# Altium PCB VC_NRF5340.PcbDoc (part 2 of 2) (continued)
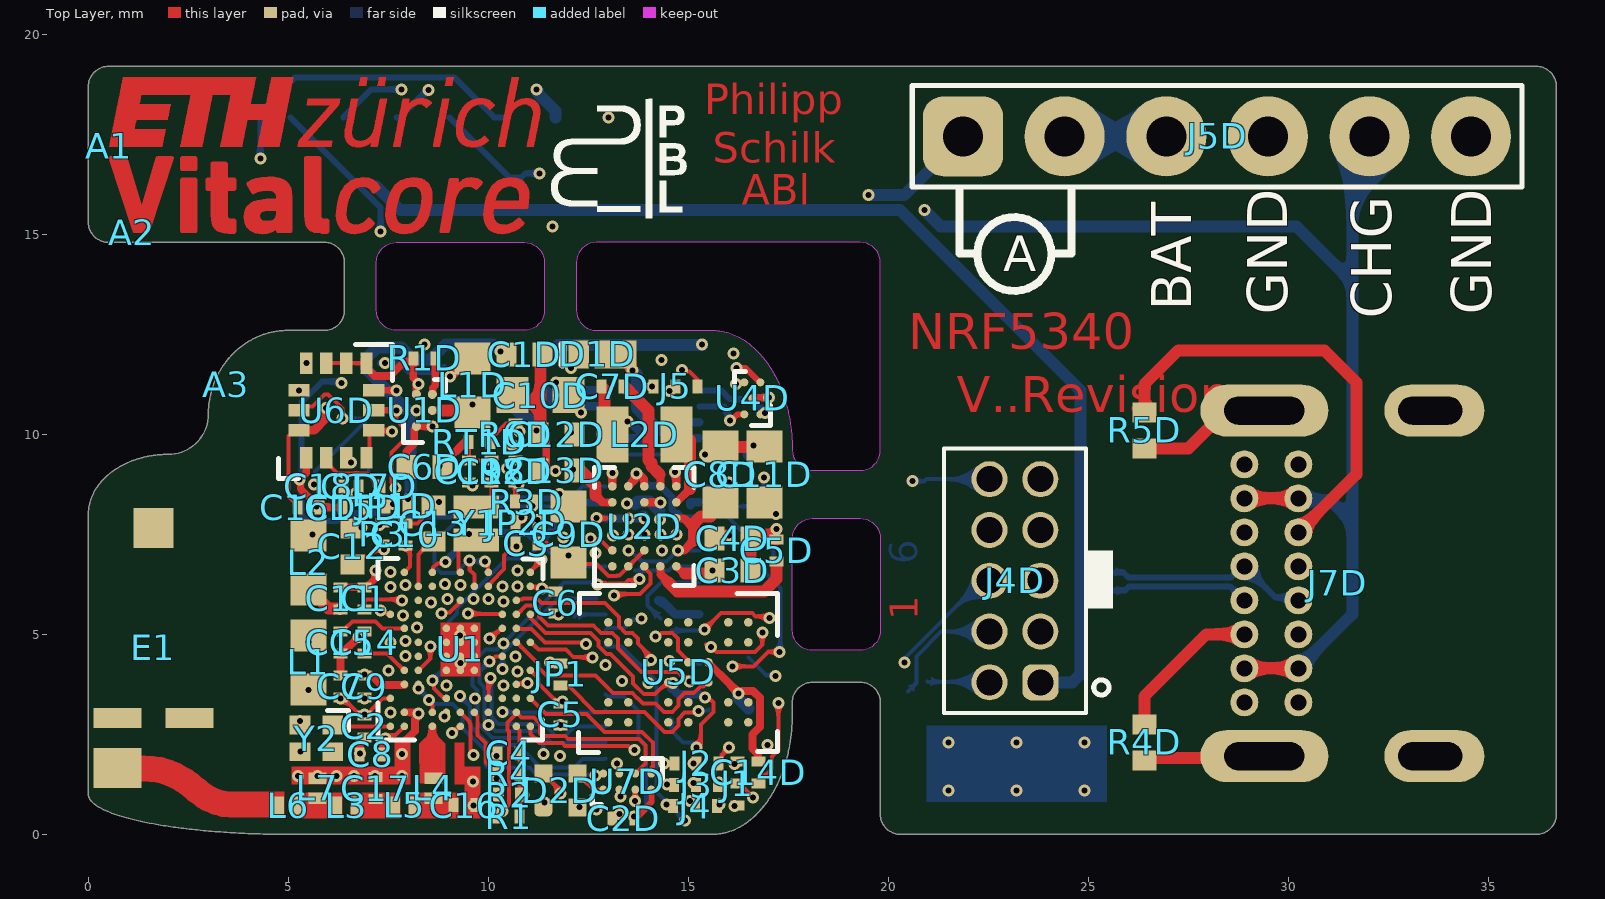
[diagram p0: Top Layer view]
## Nets (pads, with @x,y where several pads share a name; then routed paths per layer and width w, separated by ;. In a path a pad name is that pad's centre, name@x,y a point inside that pad or via, vN(x,y) a via of type N, cw(c..) or ccw(c..) an arc to the next point about the centre after c; other vN are vias at no path point) (continued)
NetD2D_2: D2D.2 U7D.B2 | length 3.4
  Top Layer w0.1: D2D.2@11.375,1.525 11.764,1.136 11.764,1.058 v1(11.802,1.02) ; v1(13.667,0.835) 13.67,0.838 13.67,1.117 U7D.B2@13.673,1.12
  Int4 (Sign) w0.1: v1(11.802,1.02) 11.827,1.02 12.5,0.347 12.815,0.347 12.997,0.529 12.997,0.616 13.179,0.799 13.63,0.799 v1(13.667,0.835)
NetD2D_3: D2D.3 U7D.D2 | length 0.8
  Top Layer w0.1: D2D.3@12.225,1.525 12.63,1.12 U7D.D2@12.873,1.12
NetD2D_4: D2D.4 U7D.C2 | length 2.5
  Top Layer w0.1: D2D.4@12.224,0.689 v2(12.274,0.689)
  Int1 (Sign) w0.1: v2(12.274,0.689) 12.289,0.704 12.289,1.48 12.558,1.75 12.795,1.75 12.953,1.591 12.953,1.335 13.171,1.116 13.171,1.11 13.306,0.976 v2(13.306,0.941)
NetE1_1: E1.1 L6.2 | length 4.1
  Top Layer w0.65: E1.1@0.7,1.65 1.372,1.65 cw(c1.372,-0.228) 2.7,1.1 ; 2.725,1.1 ccw(c3.572,1.947) 3.572,0.749 4.577,0.749
NetJ5D_2: J5D.2 J5D.3 | length 2.5
  Bottom Layer w0.3: J5D.2@24.408,17.45 J5D.3@26.948,17.45
NetJ7D_A5: J7D.A5 R4D.2 | length 3.8
  Top Layer w0.3: R4D.2@26.4,2.75 26.4,3.45 27.95,5 J7D.A5@28.9,5
NetJ7D_B5: J7D.B5 R5D.2 | length 11
  Top Layer w0.3: R5D.2@26.4,10.55 26.4,11.25 27.25,12.1 30.9,12.1 31.7,11.3 31.7,9 J7D.B5@30.25,7.55
NetJP2D_2: JP2D.2 U2D.B3 | length 4.2
  Top Layer w0.15: JP2D.2@11.225,7.8 11.225,7.852 v1(11.228,7.855)
  Int1 (Sign) w0.1: v1(11.228,7.855) 11.371,7.711 11.387,7.711 11.387,7.635 11.586,7.436 11.586,6.998 11.885,6.699 12.73,6.699 12.953,6.922 12.953,7.22 12.846,7.327 12.846,7.582 13.008,7.744 13.237,7.744 13.481,7.5 v2(13.5,7.5)
NetL1_2: L1.2 U1.B6 | length 2.8
  Top Layer w0.1: v2(5.5,4.806) L1.2@5.5,5 ; U1.B6@7.9,4.434 7.919,4.453 v2(7.929,4.453)
  Int1 (Sign) w0.2: v2(5.5,4.806) 6.4,4.806 6.753,4.453 v2(7.929,4.453)
NetL1D_1: L1D.1 U1D.A2 | length 1.9
  Top Layer w0.18: v2(9.045,11.445) 9.068,11.468 9.116,11.468 9.473,11.825 L1D.1@9.598,11.825
  Int1 (Sign) w0.3: v2(8.2,10.6) v2(9.045,11.445)
NetL2_2: L2.2 U1.A9 | length 2.9
  Top Layer w0.1: v2(7.302,5.599) 7.356,5.599 7.437,5.517 7.533,5.517 U1.A9@7.55,5.5
  Int1 (Sign) w0.3: v2(5.6,7.5) 5.6,7.3 v2(7.302,5.599)
NetL2D_2: L2D.2 U2D.E5 | length 2.1
  Top Layer w0.2: U2D.E5@14.7,8.3 14.705,8.3 15.038,8.633
  Top Layer w0.3: L2D.2@14.7,10.2 15.038,9.862 15.038,9.158 ; 15.038,8.633 15.038,8.852 15.042,8.856 15.042,9.054 15.038,9.058
NetL3_2: L3.2 L6.1 L7.2
NetL4_1: L4.1 U1.D1 | length 0.2
  Top Layer w0.2: 8.6,2.525 U1.D1@8.6,2.7
NetR1D_2: R1D.2 U1D.B3 | length 0.9
  Top Layer w0.18: U1D.B3@8.6,11 8.609,11.009 8.609,11.16 8.675,11.226 R1D.2@8.675,11.9
NetR2D_1: R2D.1 U2D.A2 | length 3.9
  Top Layer w0.1: v2(12.553,7.402) 12.591,7.363 12.804,7.363 13.068,7.1 U2D.A2@13.1,7.1
  Int1 (Sign) w0.1: v2(10.463,9.149) 10.466,9.145 10.466,8.634 10.626,8.474 10.925,8.474 11.035,8.583 11.117,8.583 12.298,7.402 v2(12.553,7.402)
NetR6D_1: R6D.1 RT1D.2 U2D.D2 | length 7.7
  Top Layer w0.1: RT1D.2@10.057,9.808 10.132,9.883 10.132,9.96 10.447,10.275 R6D.1@10.675,10.275 ; R6D.1@10.691,10.275 10.699,10.275 10.774,10.2 v1(10.774,10.077)
  Int3 (PWR) w0.1: v1(10.774,10.077) 10.774,10.063 11.07,9.766 11.07,9.628 11.301,9.397 13.436,9.397 13.511,9.473 13.887,9.473 13.962,9.397 14.259,9.397 14.743,8.913 14.743,7.502 v1(14.342,7.1)
NetR6D_2: R6D.2 U2D.D3 | length 6.4
  Top Layer w0.1: v1(14.298,7.497) U2D.D3@14.3,7.499
  Int3 (PWR) w0.1: v1(10.525,9.776) 10.525,9.707 10.705,9.527 10.705,9.522 10.828,9.522 11.54,8.81 12.366,8.81 12.777,9.221 13.509,9.221 13.585,9.296 13.814,9.296 13.889,9.221 14.186,9.221 14.567,8.84 14.567,7.739 14.324,7.497 v1(14.298,7.497)
NetU1_A1: U1.A1 Y2.1 | length 1.5
  Top Layer w0.1: Y2.1@6.11,2.735 6.145,2.7 U1.A1@7.55,2.7
NetU1_A2: U1.A2 Y2.3 | length 3.9
  Top Layer w0.1: Y2.3@5.29,2.065 v2(5.3,2.075)
  Int1 (Sign) w0.1: v2(5.3,2.075) 5.3,2.4 5.014,2.686 5.014,2.952 5.175,3.114 5.977,3.114 6.367,2.723 7.224,2.723 v2(7.55,3.05)
"PWR I\R\Q\": R3D.1 U1.G11 U2D.B2 | length 8.8
  Top Layer w0.1: v2(9.535,6.849) 9.535,6.614 9.65,6.498 U1.G11@9.65,6.2 ; v2(11.1,8.209) 11.11,8.209 R3D.1@11.22,8.319 ; v2(12.724,6.249) 12.744,6.269 13.416,6.269 13.495,6.349 13.739,6.349 v2(13.777,6.387) ; U2D.B2@13.5,7.1 U2D.B2@13.509,7.1
  Int1 (Sign) w0.1: v2(9.535,6.849) 9.535,6.888 9.587,6.94 9.587,7.188 10.696,8.297 10.796,8.297 10.884,8.209 v2(11.1,8.209) ; v2@9.634,6.94 9.796,7.101 10.347,7.101 10.535,6.914 10.861,6.914 11.182,6.594 11.456,6.594 11.801,6.249 v2(12.724,6.249) ; v2@13.505,7.195 13.739,6.961 13.739,6.425 v2(13.777,6.387)
  other v2: 13.509,7.1
QVAR1: C18D.2 J10D.0 U6D.6 | length 4.7
  Top Layer w0.1: U6D.6@5.267,10.6 5.366,10.699 5.599,10.699 5.9,11 5.991,11 6.35,10.641 v1(6.35,10.4) ; v1(5.642,8.748) 5.777,8.748 C18D.2@5.825,8.7
  Bottom Layer w0.1: v1(5.642,8.748) 5.67,8.776 5.67,9.07 J10D.0@7,10.4 v1(6.35,10.4)
QVAR2: C17D.2 J9D.0 U6D.9 | length 2.3
  Top Layer w0.1: U6D.9@5.95,9.419 5.95,9.305 6.229,9.025 6.582,9.025 6.655,9.026 6.659,9.029 6.742,9.029 6.745,9.026 6.962,9.026 7.263,8.725 v1(7.263,8.7)
  Bottom Layer w0.1: J9D.0@7,9.2 7,9.017 7.263,8.754 v1(7.263,8.7)
R\S\T\: J1D.5 J2D.5 J4D.10 R4.1 U1.G2 | length 27
  Top Layer w0.1: U1.G2@9.65,3.05 9.65,3.026 9.727,2.949 9.727,2.477 9.924,2.281 9.924,1.809 10.097,1.636 10.154,1.636 10.229,1.561 10.229,1.429 v1(10.2,1.4)
  Int3 (PWR) w0.1: v1(16.885,8.926) 16.885,8.614 16.972,8.526 17.525,8.526 17.622,8.623 20.405,8.623 v1(20.609,8.828)
  Int4 (Sign) w0.1: v1(10.2,1.4) 10.484,1.4 10.547,1.464 10.777,1.464 10.944,1.297 14.353,1.297 14.542,1.108 15.999,1.108 16.487,1.595 16.487,2.871 16.528,2.912 16.528,3.922 16.343,4.107 16.343,8.042 16.243,8.142 v3(16.243,8.196) ; v3(14.531,9.578) 15.126,9.578 15.324,9.776 16.159,9.776 16.753,9.183 16.753,9.086 16.885,8.954 v1(16.885,8.926)
  Bottom Layer w0.1: J2D.5@12.925,9.5 14.335,9.5 14.374,9.54 14.493,9.54 v3(14.531,9.578) ; v3(16.243,8.196) 16.494,8.196 16.5,8.202 16.5,8.261 16.885,8.646 v1(16.885,8.926) ; v1(20.609,8.828) 20.907,8.828 20.959,8.88 J4D.10@22.393,8.88
"SWD CLK": J1D.2 J2D.45 J4D.4 U1.F2 | length 26.4
  Top Layer w0.1: U1.F2@9.3,3.05 9.524,2.826 9.524,2.789 9.55,2.763 9.55,2.108 9.627,2.032 v2(9.627,1.978)
  Int1 (Sign) w0.1: v2(9.627,1.978) 9.627,1.952 9.924,1.655 9.924,0.475 10.097,0.301 12.378,0.301 v1(12.7,0.624)
  Int4 (Sign) w0.1: v1(12.7,0.624) 13.197,1.12 14.28,1.12 14.47,0.93 16.071,0.93 16.663,1.522 16.663,2.798 16.728,2.862 16.728,3.901 16.776,3.95 ; v3(15.899,9.19) 16.246,9.19 16.4,9.036 16.4,8.507 16.519,8.388 16.519,4.18 16.74,3.96 16.812,3.96 ; 16.859,3.96 v1(17.18,3.96) ; v1@17.18,3.98 17.43,3.98 17.5,4.05 19.743,4.05 20.22,3.573 v3(20.491,3.573)
  Bottom Layer w0.1: J1D.2@16.5,4.42 16.94,3.98 17.16,3.98 v1(17.18,3.96) ; v3(20.491,3.573) 20.7,3.782 20.7,4.45 21.316,5.066 22.524,5.066 J4D.4@22.53,5.06
"SWD IO": J1D.3 J2D.46 J4D.2 U1.F1 | length 25.1
  Top Layer w0.1: v1(9.087,2.527) 9.107,2.527 9.28,2.7 U1.F1@9.3,2.7
  Int4 (Sign) w0.1: v1(9.087,2.527) 10.098,2.527 11.152,1.473 14.426,1.473 14.615,1.284 15.882,1.284 16.294,1.697 16.294,2.955 15.975,3.275 15.975,4.031 16.103,4.159 16.103,5.755 v3(16.066,5.791) ; v3(15.5,9.5) 16.186,9.5 16.576,9.109 16.576,8.58 16.9,8.257 16.9,7.703 16.879,7.682 16.879,7.583 v3(16.84,7.545) ; v3(17.166,6.697) 17.166,6.066 16.953,5.853 16.953,5.6 v3(17.024,5.6) 17.226,5.397 17.226,4.987 17,4.761 17,4.323 17.087,4.236 19.855,4.236 20.234,3.857 20.945,3.857 v3(20.977,3.826)
  Bottom Layer w0.1: v3(15.5,9.5) J2D.46@15.682,9.5 ; v3(16.84,7.545) 16.875,7.51 16.875,7.4 17.125,7.15 17.125,6.75 17.166,6.709 v3(17.166,6.697) ; v3(20.977,3.826) 20.989,3.813 22.507,3.813 J4D.2@22.53,3.79
SWO: J1D.4 J2D.44 J4D.6 JP1.1 | length 18.7
  Top Layer w0.1: JP1.1@11.8,3.725 11.832,3.693 12.025,3.693 12.654,3.064 13.902,3.064 14.402,2.564 14.598,2.564 14.75,2.716 14.75,2.884 14.91,3.044 15.218,3.044 v2(15.257,3.082) ; v2(16.1,4.2) 16.627,4.2 16.99,4.563 v1(17.277,4.563)
  Int1 (Sign) w0.1: v2(15.257,3.082) 15.267,3.093 15.487,3.093 15.708,3.314 15.708,3.754 16.1,4.146 v2(16.1,4.2) ; v1(17.277,4.563) 17.54,4.3 v1(20.4,4.3)
  Bottom Layer w0.1: J2D.44@15.275,8.7 15.682,8.7 15.923,8.459 15.923,7.991 16.455,7.46 16.455,7.005 J1D.4@16.5,6.96 17.3,6.16 17.3,4.585 v1(17.277,4.563) ; v1(20.4,4.3) 20.438,4.338 20.438,4.438 22.33,6.33 J4D.6@22.53,6.33
USB_N: U1.A11 U4D.C2 | length 12
  Top Layer w0.15: v1(16.197,11.262) 16.225,11.29 16.39,11.29 U4D.C2@16.4,11.3
  Int4 (Sign) w0.15: v1(7.55,6.182) 7.555,6.187 7.883,6.187 9.298,7.603 9.298,8.798 9.825,9.325 9.825,9.85 10.481,10.506 15.27,10.506 15.948,11.184 16.079,11.184 16.156,11.262 v1(16.197,11.262)
USB_P: U1.A12 U4D.C1 | length 12.5
  Top Layer w0.15: v1(16.208,11.653) 16.434,11.653 16.786,11.3 U4D.C1@16.8,11.3
  Int4 (Sign) w0.15: v1(7.551,6.558) 7.933,6.558 9.072,7.697 9.072,8.892 9.599,9.419 9.599,9.944 10.387,10.732 15.176,10.732 16.005,11.562 16.077,11.562 16.168,11.653 v1(16.208,11.653)
VA0: C12D.2 J2D.41 J16D.0 U2D.B5 | length 19
  Top Layer w0.2: v1(12.071,10.05) 12.121,10 C12D.2@12.15,10
  Int1 (Sign) w0.15: v1(7.825,18.624) 11.249,15.2 v1(11.598,15.2)
  Int1 (Sign) w0.3: v1@12.164,9.992 12.331,9.825 12.676,9.48 12.676,8.924 13.326,8.274 v2(13.469,8.274)
  Int3 (PWR) w0.2: v1(11.598,15.2) 11.598,14.733 11.7,14.631 11.7,11.283 12.071,10.913 v1(12.071,10.05)
  Int4 (Sign) w0.2: v1(12.071,10.05) 12.301,9.819 12.465,9.819 12.983,9.302 12.983,8.7 13.1,8.583 13.804,8.583 14.187,8.2 14.475,8.2 14.676,7.998 v3(14.676,7.5)
  Bottom Layer w0.15: J16D.0@6.375,17.925 7.073,18.624 v1(7.825,18.624)
VA1: C13D.2 J2D.11 J17D.0 U2D.A5 | length 27.5
  Top Layer w0.2: 12.677,8.476 12.852,8.3 U2D.A5@13.1,8.3
  Top Layer w0.3: v1(12.117,9.116) 12.234,9.116 C13D.2@12.25,9.1 ; C13D.2@12.35,9.05 12.677,8.723 ; 12.677,8.476 12.677,8.623
  Int3 (PWR) w0.15: v1(7.306,15.069) 7.267,15.069 6.925,14.727 6.925,12.275 v1(7.411,11.789)
  Int4 (Sign) w0.15: v3(8.906,11.688) 8.967,11.627 8.967,11.416 9.025,11.358 9.025,10.025 8.469,9.469 8.469,8.188 7.807,7.527 7.786,7.527 7.342,7.082 7.143,7.082 6.852,6.791 6.852,5.934 7.175,5.611 7.614,5.172 7.995,5.172 8.666,5.843 8.823,5.843 8.893,5.912 9.012,5.912 9.221,6.121 9.221,6.327 9.433,6.538 9.433,7.023 10.427,8.018 10.427,8.029 10.62,8.222 11.613,8.222 11.768,8.066 12.635,8.066
  Int4 (Sign) w0.3: v1(12.117,9.116) 12.12,9.116 12.199,9.038 12.199,8.656 12.306,8.548 12.306,8.394 12.677,8.024 v1(12.677,7.037)
  Bottom Layer w0.15: J17D.0@5.05,17.925 7.306,15.668 v1(7.306,15.069) ; v1@7.286,11.789 7.784,11.789 8.017,11.557 8.737,11.557 8.869,11.688 v3(8.906,11.688)
VBAT: C4D.2 J2D.1 J2D.2 J3D.0 J5D.1 U2D.E3 | length 29.7
  Top Layer w0.3: U2D.E3@14.7,7.5 14.701,7.5 v2(14.702,7.499) ; C4D.2@15.681,7.469 v1(16.019,7.469)
  Int1 (Sign) w0.3: v2(14.702,7.499) 15.989,7.499 v1(16.019,7.469)
  Int3 (PWR) w0.15: 17.479,8.871 17.733,8.871 17.779,8.825 20.147,8.825 20.289,8.967 20.289,9.104 20.6,9.415
  Int3 (PWR) w0.3: v1(15.339,12.25) 15.767,11.822 15.767,11.716 15.82,11.662 15.82,11.105 16.522,10.403 16.522,10.154 16.249,9.881 16.249,9.337 16.395,9.19 ; v1(16.019,7.469) 16.395,7.846 16.395,9.19 ; 17.479,8.871 17.16,9.19 17.154,9.19 17.041,9.303 16.729,9.303 16.616,9.19 16.395,9.19 ; v1(19.504,15.979) 19.504,15.829 20.6,14.732 20.6,9.415
  Bottom Layer w0.22: 12.15,10.829 12.279,10.7 J2D.2@12.925,10.7 ; 12.15,11 12.25,11.1 J2D.1@12.925,11.1
  Bottom Layer w0.3: 12.067,10.922 12.008,10.982 11.994,10.982 11.762,10.75 J3D.0@11.6,10.75 11.6,10.9 11.3,11.2 11.3,11.8 11.737,12.237 14.169,12.237 14.171,12.239 14.483,12.239 14.484,12.237 15.326,12.237 v1(15.339,12.25) ; v1(19.504,15.979) 20.398,15.979 J5D.1@21.868,17.45
Vcore: C1.2 C2.2 C3.2 C4.2 C5.2 C6.2 C7.2 C10.2 C14D.2 C15D.2 C16D.2 J1D.1 J2D.6 J4D.1 J12D.0 JP1D.2 R1.1 R2.2 R2D.2 R3D.2 R4.2 U1.A3 U1.B7 U1.B10 U1.B12 U1.D2 U1.E11 U1.H11 U1.K1 U1.L5 U1.L11 U2D.A4 U5D.C3 U6D.5 U6D.8 U6D.11 U6D.12 | length 67.3
  Top Layer w0.1: v1(6.3,3.4) C7.2@6.3,3.425 6.35,3.425 6.725,3.05 6.825,3.05 C2.2@6.888,2.987 ; v1(6.9,3) 6.975,3 7.077,3.102 7.077,3.123 7.354,3.4 U1.A3@7.55,3.4 ; C1.2@6.9,5.625 6.9,5.816 6.959,5.875 7.821,5.875 v1(7.846,5.85) U1.B10@7.9,5.85 ; U6D.11@6.95,9.419 7.031,9.5 7.031,9.997 U6D.12@7.133,10.1 7.567,10.1 v1(7.593,10.074) ; U1.B7@7.9,4.8 7.9,4.804 v1(7.925,4.829) ; U1.B12@7.9,6.55 8.045,6.695 8.045,7.18 7.97,7.18 v1(7.925,7.225) ; v2(8.511,3.362) 8.511,3.308 8.6,3.219 U1.D2@8.6,3.05 ; v1(8.916,6.26) 8.95,6.224 U1.E11@8.95,6.2 ; U1.H11@10,6.2 10,6.224 10.074,6.298 10.074,6.31 10.396,6.633 10.396,6.971 10.467,7.042 10.492,7.042 10.641,7.191 v1(10.7,7.191) ; R3D.2@10.67,8.319 10.675,8.324 10.675,8.67 R2D.2@10.759,8.754 ; U1.K1@10.7,2.7 10.7,2.676 10.775,2.601 C4.2@10.775,2.027 ; v1(10.752,8.75) R2D.2@10.755,8.75 ; R4.2@10.779,1.496 10.782,1.493 10.782,0.998 R2.2@10.788,0.991 R2.2@10.817,0.962 ; R4.2@10.779,1.511 R4.2@10.779,1.511 10.781,2.021 C4.2@10.775,2.027 ; C4.2@10.783,2.027 C4.2@10.775,2.027 ; R1.1@10.783,0.444 10.786,0.446 10.786,0.886 R2.2@10.8,0.9 ; R2.2@10.8,0.914 10.817,0.914 R2.2@10.817,0.962 ; v1(10.883,0.98) 10.835,0.98 R2.2@10.817,0.962 ; U1.L5@11.05,4.1 11.251,3.898 11.251,3.774 11.675,3.35 11.837,3.35 v1(11.86,3.327) ; U1.L11@11.05,6.2 11.067,6.183 11.358,6.183 v1@11.379,6.162 ; v1(11.346,6.144) 11.386,6.144 11.455,6.075 11.67,6.075 C6.2@11.676,6.069 ; v2(12.698,7.906) 12.766,7.837 12.829,7.9 U2D.A4@13.1,7.9
  Top Layer w0.18: v2(5.285,8.868) 5.45,9.032 U6D.8@5.45,9.419 ; v2@5.3,8.85 5.308,8.842 5.308,8.634 5.584,8.358 5.642,8.358 5.775,8.225 C16D.2@5.775,8.175 ; U5D.C3@15.5,4.3 15.5,4.289 15.777,4.013
  Top Layer w0.2: v1(5.7,8.2) 5.75,8.2 C16D.2@5.775,8.175 C15D.2@6.35,8.175 ; 15.777,4.013 16.251,3.538 v1(16.251,3.527) ; v1@16.25,3.525 16.277,3.525 16.338,3.587 16.619,3.587 16.786,3.419 16.786,2.681 16.6,2.495 16.6,2.143 16.743,2 16.743,1.832 C14D.2@16.75,1.825
  Int1 (Sign) w0.1: v1(6.9,3) 7.262,3.362 v2(8.511,3.362) ; v1(10.752,8.75) 10.79,8.788 10.889,8.788 10.911,8.81 11.873,8.81 12.279,8.404 12.279,8.325 v2(12.698,7.906)
  Int1 (Sign) w0.18: v2(5.267,11.1) 5.277,11.09 5.277,8.875 v2(5.285,8.868)
  Int4 (Sign) w0.3: v1(7.593,10.074) 6.85,10.817 6.85,14.538 6.714,14.675 6.714,15.714 9.625,18.625 v1(11.2,18.625) ; v1(10.752,8.75) 10.752,8.854 11.392,9.493 12.276,9.493 12.575,9.194 v3(12.575,9.116)
  Bottom Layer w0.3: v3(7.201,16.201) 7.798,15.603 20.297,15.603 24.8,11.1 24.8,4 24.6,3.8 J4D.1@23.8,3.8 ; v1(11.2,18.625) 11.238,18.587 11.238,18.524 11.675,18.087 J12D.0@11.675,17.973 J12D.0@11.675,17.925 ; v1(16.251,3.527) 16.251,3.398 J1D.1@16.5,3.15
  other v1: 7.615,8.263
VD0: C9D.2 J2D.42 J13D.0 U2D.B6 U2D.C6 | length 32.1
  Top Layer w0.15: v1(6.324,11.288) v1@6.357,11.288
  Top Layer w0.2: U2D.B6@13.5,8.7 13.684,8.884 v1@13.684,8.944 ; v1(13.699,9.02) 13.718,9 13.779,9 13.896,8.884 13.896,8.704 U2D.C6@13.9,8.7
  Top Layer w0.3: v1(11.783,8.509) 11.783,8.417 C9D.2@12,8.2
  Int3 (PWR) w0.15: v1(4.298,16.9) 5.507,16.9 6.208,16.198 6.208,15.405 6.675,14.938 6.675,11.639 v1(6.324,11.288)
  Int3 (PWR) w0.3: v1(11.783,8.509) 11.798,8.524 12.481,8.524 12.548,8.457 12.572,8.457 12.644,8.386 13.249,8.386 13.699,8.836 v1(13.699,9.02)
  Bottom Layer w0.15: v1(4.298,16.9) 4.298,18.048 5.175,18.925 9.147,18.925 10.147,17.925 J13D.0@10.35,17.925 ; v1(6.324,11.288) 6.324,11.321 5.846,11.321 5.325,10.8 5.325,7.982 5.476,7.831 6.231,7.831 6.439,8.039 7.412,8.039 7.503,7.948 9.039,7.948 9.488,8.398 11.631,8.398 11.742,8.509 v1(11.783,8.509)
  Bottom Layer w0.18: v1(13.699,9.02) 14.004,8.714 14.302,8.714 14.591,8.425 14.591,8.121 14.689,8.024 14.744,8.024 14.867,7.9 J2D.42@15.275,7.9
VD1: C10D.2 J2D.9 J14D.0 U2D.A6 U2D.C4 | length 18.5
  Top Layer w0.15: v2(11.689,11.301) C10D.2@11.764,11.227 ; C10D.2@11.764,11.227 11.764,11.219 C10D.2@12.005,10.978 12.005,10.986 C10D.2@11.764,11.227
  Top Layer w0.2: U2D.A6@13.1,8.7 v2(13.1,9.032)
  Int1 (Sign) w0.15: v2(11.689,11.301) 11.52,11.47 11.52,11.536 11.941,11.956 13.683,11.956 13.778,11.861 v1(14.327,11.863) v1(14.327,11.863)
  Int1 (Sign) w0.3: v2(12.32,10.549) 12.782,10.086 12.782,9.95 13.1,9.632 v2(13.1,9.032) 13.482,8.65 13.627,8.65 13.898,8.379 v1@13.898,8
  Int4 (Sign) w0.15: v1(11.275,16.525) 11.9,15.9 11.9,12.698 12.273,12.325 13.809,12.325 13.864,12.325 v1(14.327,11.863)
  Bottom Layer w0.15: J14D.0@9.025,17.925 10.524,16.426 10.83,16.426 10.929,16.525 v1(11.275,16.525)
  Bottom Layer w0.2: J2D.9@12.925,7.9 13.771,7.9 13.871,8 v1@13.898,8
  other v1: 13.898,7.9
VD2: C11D.2 J2D.10 J15D.0 U2D.D4 | length 31.2
  Top Layer w0.15: v1(8.506,18.602) v1@8.506,18.619
  Int2 (GND) w0.3: v1(14.29,7.873) 14.426,8.009 v1(17.191,8.009)
  Int3 (PWR) w0.15: v1(8.506,18.602) 8.833,18.275 11.65,18.275 12.3,18.925 14.151,18.925 14.914,18.163 17.583,18.163 18.345,17.4 18.83,17.4 20.601,15.628 20.601,15.478 21.137,14.942 21.137,8.464 20.868,8.195 17.799,8.195 17.642,8.038 17.22,8.038 v1(17.191,8.009)
  Int4 (Sign) w0.3: v3(13.053,7.494) 13.053,7.641 v3(13.669,8.257)
  Bottom Layer w0.15: J15D.0@7.7,17.925 7.85,17.925 7.85,17.987 8.465,18.602 v1(8.506,18.602)
  Bottom Layer w0.3: v3(13.669,8.257) 13.669,8.26 13.736,8.326 14.033,8.326 14.275,8.085
VSYS: C2D.2 C6D.2 C8D.2 D2D.1 J2D.3 J2D.4 J11D.0 JP2D.1 U1D.A1 U1D.B1 U2D.E2 U2D.E4 U7D.A2 | length 63.9
  Top Layer w0.15: v1(13.647,0.448) 13.673,0.448 13.7,0.475 13.76,0.475 13.987,0.702 13.987,0.72 14.073,0.806 U7D.A2@14.073,1.12
  Top Layer w0.18: C6D.2@7.95,9.19 7.95,9.567 8.15,9.767 8.15,10.137 8.2,10.187 U1D.A1@8.2,10.2 v1(8.6,10.2)
  Top Layer w0.2: U2D.E4@14.7,7.9 14.896,7.9 15.14,7.656 ; 14.896,7.1 15.14,7.344
  Top Layer w0.3: JP2D.1@10.675,7.8 10.792,7.917 10.831,7.917 v1(10.831,7.92) ; 15.14,7.344 15.14,7.656 15.14,7.774 15.316,7.95 C8D.2@15.55,7.95 ; C8D.2@15.903,8.431 16.019,8.547 v1(16.019,8.793)
  Int2 (GND) w0.15: v1(13.647,0.448) 13.887,0.448 13.975,0.536 13.975,0.749 14.111,0.885
  Int2 (GND) w0.2: v1(11.4,0.8) 11.419,0.781 11.58,0.781 11.667,0.694 11.994,0.694 12.527,1.226 13.879,1.226 14.111,0.994 14.111,0.885 14.946,0.885 14.961,0.9
  Int2 (GND) w0.3: 14.961,0.9 15.859,0.9 16.976,2.017 v1(16.976,2.228)
  Int1 (Sign) w0.3: v2(14.74,7.1) 14.74,6.927 15.444,6.224 15.649,6.224 16.1,5.773 16.1,5.182 16.718,4.564 16.718,3.28 16.976,3.022 v1(16.976,2.228)
  Int3 (PWR) w0.1: 10.1,11.204 10.1,9.718 10.541,9.276 10.824,9.276 11.201,8.9 11.201,8.29 v1(10.831,7.92)
  Int3 (PWR) w0.15: v1(13,17.925) 13.675,17.25 18.175,17.25 18.85,16.575 19.334,16.575 20.375,15.535 20.375,15.384 20.911,14.848 20.911,8.614 20.718,8.422 17.706,8.422 17.609,8.325 17.08,8.325 16.889,8.134 16.889,7.913 16.144,7.168 15.894,7.168 15.717,7.344 15.717,7.594 15.99,7.867 15.99,8.764 v1(16.019,8.793)
  Int3 (PWR) w0.2: 10.1,11.204 10.121,11.225
  Int3 (PWR) w0.3: v1(8.6,10.2) 8.6,10.232 9.593,11.225 10.121,11.225 10.783,11.225 11.694,10.313 11.694,9.849 11.87,9.674 12.589,9.674 12.607,9.691 12.949,9.691 13.125,9.866 13.125,11.689 13.686,12.25 14.728,12.25 15.39,11.588 15.39,10.647 15.537,10.501 15.537,9.275 v1(16.019,8.793)
  Int4 (Sign) w0.3: v3(13.844,9.851) 14.155,9.541 14.155,9.422 14.375,9.202 14.625,9.202 14.725,9.102 15.36,9.102 15.669,8.793 v1(16.019,8.793)
  Bottom Layer w0.22: J2D.4@12.925,9.9 13.774,9.9 13.823,9.851 v3(13.844,9.851) ; J2D.3@12.925,10.3 13.553,10.3 13.829,10.024 13.829,9.829 v3@13.822,9.822
VUSB: C3D.2 D1D.1 R3.1 U2D.E1 | length 19.7
  Top Layer w0.18: v1(12.066,11.655) 12.066,11.687 12.09,11.711 12.09,11.83 D1D.1@12.26,12
  Top Layer w0.2: U2D.E1@14.7,6.7 14.9,6.5
  Top Layer w0.3: 14.916,6.516 15.55,6.516 15.55,6.5 15.6,6.55 v2(15.6,6.6) C3D.2@15.65,6.6
  Int1 (Sign) w0.3: v1(7.284,7.738) 7.284,7.812 7.019,8.077 6.448,8.077 6.253,8.272 6.253,8.836 6.195,8.894 6.195,9.458 6.415,9.678 9.587,9.678 10.103,10.194 10.169,10.194 10.9,10.925 12.242,10.925 ; v1(12.066,11.655) 12.066,11.101 12.242,10.925 ; v2(15.6,6.6) 15.8,6.6 16.395,7.195 16.395,7.625 16.145,7.876 15.924,7.876 15.642,8.158 15.642,8.949 15.871,9.177 15.871,9.662 15.432,10.1 14.246,10.1 13.421,10.925 12.242,10.925
pads on no net: E1.2 E1.3 E1.4 J2D.56 J4D.7 J4D.8 J7D.A8 J7D.B8 U1.C6 U1.C7 U1.C9 U1.C10 U1.D11 U1.H2 U1.J3 U1.K3 U2D.A1 U5D.A1 U5D.A2 U5D.A5 U5D.A6 U5D.B1 U5D.B2 U5D.B5 U5D.B6 U5D.D1 U5D.D2 U5D.D5 U5D.D6 U5D.E1 U5D.E2 U5D.E5 U5D.E6 U5D.G1 U5D.G2 U5D.G5 U5D.G6 U5D.H1 U5D.H2 U5D.H5 U5D.H6 Y2.4

## Polygon pours and split planes (outlines as drawn)
GND on Int3 (PWR) "NONET_L01_P-001" (solid, pour order 9): 0,14.1 19.1,14.1 19.1,0 36.7,0 36.7,19.2 0,19.2
Vcore on Int3 (PWR) "VCORE_L04_P006" (solid, remove dead copper, pour order 6): 5,12.4 17.6,12.4 17.6,0.2 5,0.2
GND on Int1 (Sign) "NONET_L01_P-001" (solid, pour order 12): 5,1.4 7.6,1.4 7.6,10 9,10 9,12.4 5,12.4
GND on Int1 (Sign) "NONET_L01_P-001" (solid, pour order 7): 0,14.1 19.1,14.1 19.1,0 36.7,0 36.7,19.2 0,19.2
GND on Int4 (Sign) "NONET_L01_P-001" (solid, pour order 10): 0,14.1 19.1,14.1 19.1,0 36.7,0 36.7,19.2 0,19.2
GND on Int4 (Sign) "NONET_L01_P-001" (solid, pour order 11): 5,1.4 6.8,1.4 6.8,9.2 8.1,10.5 8.1,12.4 5,12.4
GND on Int2 (GND) "GND_L03_P004" (solid, pour order 4): 5,14.1 0,14.1 0,19.2 36.7,19.2 36.7,0.2 5,0.2

## Other copper
Top Layer:
  rectangle net GND: 9.202,1.251 9.678,1.7
  region net GND: 9.8,0.4 9.8,1.7 9.4,1.7 9.4,0.4
  region net GND: 9.8,3.949 9.8,5.3 9.075,5.3 9.075,3.949
  region net NetE1_1: 4.9,1.075 4.6,1.075 4.6,0.425 4.9,0.425
  region net GND: 9.5,3.95 9.5,5.3 8.8,5.3 8.8,3.95
  region net NetL4_1: 8.275,1.8 8.275,1.275 8.925,1.275 8.925,1.8
  region net GND: 8.05,1.3 8.05,2.35 7.65,2.35 7.65,1.3
  region net NetC16_2: 9.25,1.05 8,1.05 8,0.4 9.25,0.4
  region net GND: 9.8,1.7 9.15,1.7 9.15,1.25 9.8,1.25
  region net GND: 9.4,1.25 9.4,2.3 9.15,2.3 9.15,1.25
  region net NetC17_2: 7.8,1.05 6.55,1.05 6.55,0.4 7.8,0.4
  rectangle net GND: 5.075,1.25 8.05,1.7
  region net NetL3_2: 6.35,1.05 5.1,1.05 5.1,0.4 6.35,0.4
  region net NetL4_1: 8.275,1.775 8.275,2.261 8.412,2.397 ccw(c8.198,2.611) 8.5,2.611 8.7,2.611 ccw(c9.002,2.611) 8.788,2.397 8.925,2.261 8.925,1.775
  text "Philipp" at 15.402,17.75 h1.3
  text "Schilk" at 15.614,16.534 h1.3
  text "ABl" at 16.34,15.484 h1.3
  text "NRF5340" at 20.493,12.129 h0.9
  text "V." at 21.707,10.554 h0.9
  text ".Revision" at 22.929,10.554 h0.9
  text "1" at 20.975,5.357 h1.2 r90
Int2 (GND):
  pour cut-out: 11,14.1 12.6,14.1 12.6,12.6 11,12.6
  text "3" at 20.962,5.857 h1.2 r90
Int1 (Sign):
  rectangle net GND: 9.202,1.251 9.678,1.7
  region net GND: 9.4,1.25 9.4,2.3 9.15,2.3 9.15,1.25
  region net GND: 9.7,0.4 9.7,1.7 9.4,1.7 9.4,0.4
  region net GND: 8.05,1.3 8.05,2.35 7.65,2.35 7.65,1.3
  rectangle net GND: 5.075,1.25 8.05,1.7
  text "2" at 20.975,5.556 h1.2 r90
Int3 (PWR):
  pour cut-out: 11.1,14.094 12.7,14.094 12.7,11.506 11.1,11.506
  text "4" at 20.975,6.157 h1.2 r90
Int4 (Sign):
  text "5" at 20.96,6.454 h1.2 r90
Bottom Layer:
  region net GND: 20.955,2.715 25.455,2.715 25.455,0.815 20.955,0.815
  text "6" at 20.96,6.754 h1.2 r90
Multi-Layer:
  pour cut-out: 20.1,5.2 21.084,5.2 21.084,7.4 20.1,7.4

## Silkscreen, mask and mechanical layers (free items; w line width, h text height)
Top Overlay:
  drawing of 10 lines, arcs and shapes, not listed
  text "A" at 22.879,14.079 h0.89
  text "BAT" at 27.575,13.094 h1 r90
  text "GND" at 29.975,12.994 h1 r90
  text "GND" at 35.075,12.994 h1 r90
  text "CHG" at 32.575,12.894 h1 r90
Board Layer Stack Bottom Overlay:
  drawing of 408 lines, arcs and shapes, not listed
  text "D1" at 8.607,16.219 h1.3 r270
  text "A1" at 4.632,16.191 h1.3 r270
  text "D2" at 7.282,16.066 h1.3 r270
  text "D0" at 9.94,16.06 h1.3 r270
  text "A0" at 5.964,16.033 h1.3 r270
  text "sys" at 12.814,15.736 h1.3 r270
  text "core" at 11.373,15.234 h1.3 r270
  text "C" at 9.475,11.475 h0.7
  text "G" at 10.65,11.475 h0.7
  text "B" at 11.825,11.475 h0.7
  text "NRF5340" at 9.075,9.25 h0.8 r90
  text "schilkp ABI" at 11.454,9.197 h0.8 r90
  text "V." at 9.05,3.525 h0.8 r90
  text ".Revision" at 9.05,2.45 h0.8 r90
  text "GND" at 26,0.494 h1 r270
Top Solder:
  text "Philipp" at 15.402,17.75 h1.3
  text "Schilk" at 15.614,16.534 h1.3
  text "ABl" at 16.34,15.484 h1.3
  text "NRF5340" at 20.493,12.129 h0.9
  text "V." at 21.707,10.554 h0.9
  text ".Revision" at 22.929,10.554 h0.9
Board Shape:
  drawing of 550 lines, arcs and shapes, not listed
Guides - Notes:
  lines w0.127: 5,0 5,12.6 ; 5,6.3 17.6,6.3 ; 14.1,5.8 14.1,6.8 ; 14.1,6.3 17.6,6.3 ; 17.6,7 17.6,5.6 17.6,6.3 ; 18.3,6.3 17.6,6.3
Guides - Actual Outline:
  drawing of 505 lines, arcs and shapes, not listed